# EAGLE board Mk4 Final Panel 8up 4x2 (EAGLE 9.0.1), part 19 of 23 (continued)
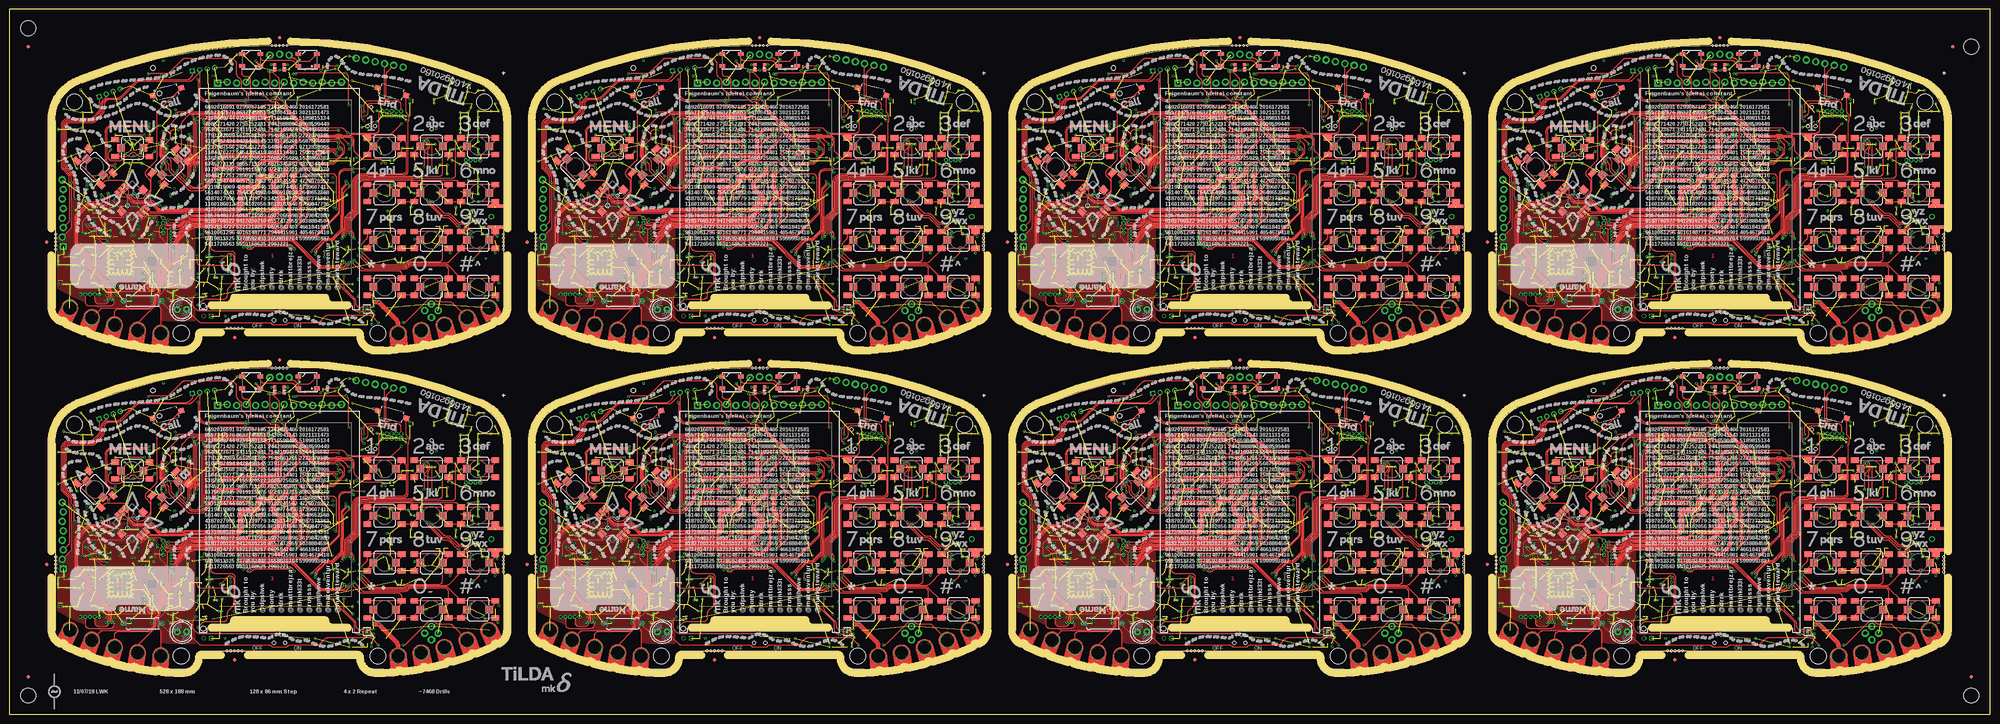
[diagram p0: board, top side]
## Tracks (layer width: path | path; a pad name or v marks a point on that pad's centre or on a via) (continued)
SPK_P5  (via drill 0.3)
  Top 0.2: v445,41.1 445.23,41.33 465.36,41.33 arc45 466.06,41.62 471.81,47.36 arc45 472.1,48.07 472.1,57.92 arc-90 473.17,58.99 475.16,58.99 arc-45 475.51,58.84 v475.75,58.61 | v421.3,71.45 arc-45 420.64,71.17 411.5,71.17 arc90 409.57,69.25 409.57,61.95 arc90 411.45,60.08 411.72,60.08 arc-45 412.07,59.93 v412.2,59.8
  Bottom 0.2: IC93.11 486.55,57.95 C601.1 | C601.1 C597.1 | C602.1 C601.1 | C599.1 C597.1 | C597.1 485.18,58.33 480.32,58.33 arc-45 480.25,58.35 480.16,58.45 arc45 480.09,58.48 477.77,58.48 R438.1 477.11,57.86 arc-90 476.4,57.86 475.75,58.51 v475.75,58.61 | v445,41.1 444.77,41.33 444.14,41.33 arc-45 443.44,41.62 441.02,44.03 arc45 440.8,44.12 440.54,44.12 arc-45 439.83,44.42 436.52,47.73 arc45 435.81,48.02 429.24,48.02 arc-45 428.54,48.32 425.52,51.34 arc-45 425.23,52.04 425.23,52.7 arc90 423.9,54.02 421.14,54.02 arc-45 420.44,54.32 418.22,56.53 arc45 417.51,56.83 414.4,56.83 arc-90 413.32,57.9 413.32,59.6 arc90 412.85,60.08 412.68,60.08 arc45 412.33,59.93 v412.2,59.8 | C616.2 v421.3,71.45
SPK_P6  (via drill 0.3)
  Top 0.2: v317,127.1 317.23,127.33 337.36,127.33 arc45 338.06,127.62 343.81,133.36 arc45 344.1,134.07 344.1,143.93 arc-90 345.17,144.99 347.16,144.99 arc-45 347.51,144.84 v347.75,144.61 | v293.3,157.45 arc-45 292.64,157.18 283.5,157.18 arc90 281.57,155.25 281.57,147.95 arc90 283.45,146.07 283.72,146.07 arc-45 284.07,145.93 v284.2,145.8
  Bottom 0.2: IC111.11 358.55,143.95 C709.1 | C709.1 C705.1 | C710.1 C709.1 | C707.1 C705.1 | C705.1 357.18,144.32 352.32,144.32 arc-45 352.25,144.35 352.16,144.45 arc45 352.09,144.47 349.77,144.47 R516.1 349.11,143.86 arc-90 348.4,143.86 347.75,144.51 v347.75,144.61 | v317,127.1 316.77,127.33 316.14,127.33 arc-45 315.44,127.62 313.02,130.03 arc45 312.8,130.12 312.54,130.12 arc-45 311.84,130.42 308.52,133.73 arc45 307.81,134.03 301.24,134.03 arc-45 300.53,134.32 297.52,137.33 arc-45 297.23,138.04 297.23,138.7 arc90 295.9,140.03 293.14,140.03 arc-45 292.44,140.32 290.22,142.53 arc45 289.51,142.82 286.4,142.82 arc-90 285.32,143.9 285.32,145.6 arc90 284.85,146.07 284.68,146.07 arc45 284.33,145.93 v284.2,145.8 | C724.2 v293.3,157.45
SPK_P7  (via drill 0.3)
  Top 0.2: v445,127.1 445.23,127.33 465.36,127.33 arc45 466.06,127.62 471.81,133.36 arc45 472.1,134.07 472.1,143.93 arc-90 473.17,144.99 475.16,144.99 arc-45 475.51,144.84 v475.75,144.61 | v421.3,157.45 arc-45 420.64,157.18 411.5,157.18 arc90 409.57,155.25 409.57,147.95 arc90 411.45,146.07 411.72,146.07 arc-45 412.07,145.93 v412.2,145.8
  Bottom 0.2: IC129.11 486.55,143.95 C817.1 | C817.1 C813.1 | C818.1 C817.1 | C815.1 C813.1 | C813.1 485.18,144.32 480.32,144.32 arc-45 480.25,144.35 480.16,144.45 arc45 480.09,144.47 477.77,144.47 R594.1 477.11,143.86 arc-90 476.4,143.86 475.75,144.51 v475.75,144.61 | v445,127.1 444.77,127.33 444.14,127.33 arc-45 443.44,127.62 441.02,130.03 arc45 440.8,130.12 440.54,130.12 arc-45 439.83,130.42 436.52,133.73 arc45 435.81,134.03 429.24,134.03 arc-45 428.54,134.32 425.52,137.33 arc-45 425.23,138.04 425.23,138.7 arc90 423.9,140.03 421.14,140.03 arc-45 420.44,140.32 418.22,142.53 arc45 417.51,142.82 414.4,142.82 arc-90 413.32,143.9 413.32,145.6 arc90 412.85,146.07 412.68,146.07 arc45 412.33,145.93 v412.2,145.8 | C832.2 v421.3,157.45
SPK_R_N
  Bottom 0.15: R45.2 R46.1 arc45 93.97,62.04 IC11.5
SPK_R_N1
  Bottom 0.15: R126.2 R127.1 arc45 221.97,62.04 IC26.5
SPK_R_N2
  Bottom 0.15: R204.2 R205.1 arc45 93.97,148.04 IC44.5
SPK_R_N3
  Bottom 0.15: R282.2 R283.1 arc45 221.97,148.04 IC62.5
SPK_R_N4
  Bottom 0.15: R360.2 R361.1 arc45 349.98,62.04 IC80.5
SPK_R_N5
  Bottom 0.15: R438.2 R439.1 arc45 477.98,62.04 IC98.5
SPK_R_N6
  Bottom 0.15: R516.2 R517.1 arc45 349.98,148.04 IC116.5
SPK_R_N7
  Bottom 0.15: R594.2 R595.1 arc45 477.98,148.04 IC134.5
SPK_R_P
  Bottom 0.15: R43.2 R51.1 R50.1 93.03,61.78 arc45 93.33,62.49 IC11.6
SPK_R_P1
  Bottom 0.15: R125.2 R129.1 R128.1 221.03,61.78 arc45 221.32,62.49 IC26.6
SPK_R_P2
  Bottom 0.15: R203.2 R207.1 R206.1 93.03,147.78 arc45 93.33,148.49 IC44.6
SPK_R_P3
  Bottom 0.15: R281.2 R285.1 R284.1 221.03,147.78 arc45 221.32,148.49 IC62.6
SPK_R_P4
  Bottom 0.15: R359.2 R363.1 R362.1 349.03,61.78 arc45 349.32,62.49 IC80.6
SPK_R_P5
  Bottom 0.15: R437.2 R441.1 R440.1 477.03,61.78 arc45 477.32,62.49 IC98.6
SPK_R_P6
  Bottom 0.15: R515.2 R519.1 R518.1 349.03,147.78 arc45 349.32,148.49 IC116.6
SPK_R_P7
  Bottom 0.15: R593.2 R597.1 R596.1 477.03,147.78 arc45 477.32,148.49 IC134.6
SSI0_LCD_CLK
  Bottom 0.15: J2.37 66.25,50.09 arc-45 66.54,50.79 66.91,51.16 arc45 67.2,51.86 67.2,53.03 arc45 67.15,53.15 66.11,54.19 arc45 64.88,54.7 64.2,54.7 arc-90 63.2,55.7 63.2,59.1 arc-90 63.7,59.6 IC1.35
SSI0_LCD_CLK1
  Bottom 0.15: J6.37 194.25,50.09 arc-45 194.54,50.79 194.91,51.16 arc45 195.2,51.86 195.2,53.03 arc45 195.15,53.15 194.11,54.19 arc45 192.88,54.7 192.2,54.7 arc-90 191.2,55.7 191.2,59.1 arc-90 191.7,59.6 IC20.35
SSI0_LCD_CLK2
  Bottom 0.15: J21.37 66.25,136.09 arc-45 66.54,136.79 66.91,137.16 arc45 67.2,137.86 67.2,139.03 arc45 67.15,139.15 66.11,140.19 arc45 64.88,140.7 64.2,140.7 arc-90 63.2,141.7 63.2,145.1 arc-90 63.7,145.6 IC38.35
SSI0_LCD_CLK3
  Bottom 0.15: J31.37 194.25,136.09 arc-45 194.54,136.79 194.91,137.16 arc45 195.2,137.86 195.2,139.03 arc45 195.15,139.15 194.11,140.19 arc45 192.88,140.7 192.2,140.7 arc-90 191.2,141.7 191.2,145.1 arc-90 191.7,145.6 IC56.35
SSI0_LCD_CLK4
  Bottom 0.15: J41.37 322.25,50.09 arc-45 322.54,50.79 322.91,51.16 arc45 323.2,51.86 323.2,53.03 arc45 323.15,53.15 322.11,54.19 arc45 320.88,54.7 320.2,54.7 arc-90 319.2,55.7 319.2,59.1 arc-90 319.7,59.6 IC74.35
SSI0_LCD_CLK5
  Bottom 0.15: J51.37 450.25,50.09 arc-45 450.54,50.79 450.91,51.16 arc45 451.2,51.86 451.2,53.03 arc45 451.15,53.15 450.11,54.19 arc45 448.88,54.7 448.2,54.7 arc-90 447.2,55.7 447.2,59.1 arc-90 447.7,59.6 IC92.35
SSI0_LCD_CLK6
  Bottom 0.15: J61.37 322.25,136.09 arc-45 322.54,136.79 322.91,137.16 arc45 323.2,137.86 323.2,139.03 arc45 323.15,139.15 322.11,140.19 arc45 320.88,140.7 320.2,140.7 arc-90 319.2,141.7 319.2,145.1 arc-90 319.7,145.6 IC110.35
SSI0_LCD_CLK7
  Bottom 0.15: J71.37 450.25,136.09 arc-45 450.54,136.79 450.91,137.16 arc45 451.2,137.86 451.2,139.03 arc45 451.15,139.15 450.11,140.19 arc45 448.88,140.7 448.2,140.7 arc-90 447.2,141.7 447.2,145.1 arc-90 447.7,145.6 IC128.35
SSI0_LCD_CS
  Bottom 0.15: J2.38 65.75,50.09 arc-45 66.04,50.79 66.58,51.33 arc45 66.88,52.04 66.88,52.92 arc45 66.82,53.06 65.92,53.96 arc45 64.85,54.4 64.15,54.4 arc-90 62.9,55.65 62.9,59.25 arc-90 63.65,60 IC1.36
SSI0_LCD_CS1
  Bottom 0.15: J6.38 193.75,50.09 arc-45 194.04,50.79 194.58,51.33 arc45 194.88,52.04 194.88,52.92 arc45 194.82,53.06 193.92,53.96 arc45 192.85,54.4 192.15,54.4 arc-90 190.9,55.65 190.9,59.25 arc-90 191.65,60 IC20.36
SSI0_LCD_CS2
  Bottom 0.15: J21.38 65.75,136.09 arc-45 66.04,136.79 66.58,137.33 arc45 66.88,138.04 66.88,138.92 arc45 66.82,139.06 65.92,139.96 arc45 64.85,140.4 64.15,140.4 arc-90 62.9,141.65 62.9,145.25 arc-90 63.65,146 IC38.36
SSI0_LCD_CS3
  Bottom 0.15: J31.38 193.75,136.09 arc-45 194.04,136.79 194.58,137.33 arc45 194.88,138.04 194.88,138.92 arc45 194.82,139.06 193.92,139.96 arc45 192.85,140.4 192.15,140.4 arc-90 190.9,141.65 190.9,145.25 arc-90 191.65,146 IC56.36
SSI0_LCD_CS4
  Bottom 0.15: J41.38 321.75,50.09 arc-45 322.04,50.79 322.58,51.33 arc45 322.88,52.04 322.88,52.92 arc45 322.82,53.06 321.91,53.96 arc45 320.85,54.4 320.15,54.4 arc-90 318.9,55.65 318.9,59.25 arc-90 319.65,60 IC74.36
SSI0_LCD_CS5
  Bottom 0.15: J51.38 449.75,50.09 arc-45 450.04,50.79 450.58,51.33 arc45 450.88,52.04 450.88,52.92 arc45 450.82,53.06 449.92,53.96 arc45 448.85,54.4 448.15,54.4 arc-90 446.9,55.65 446.9,59.25 arc-90 447.65,60 IC92.36
SSI0_LCD_CS6
  Bottom 0.15: J61.38 321.75,136.09 arc-45 322.04,136.79 322.58,137.33 arc45 322.88,138.04 322.88,138.92 arc45 322.82,139.06 321.91,139.96 arc45 320.85,140.4 320.15,140.4 arc-90 318.9,141.65 318.9,145.25 arc-90 319.65,146 IC110.36
SSI0_LCD_CS7
  Bottom 0.15: J71.38 449.75,136.09 arc-45 450.04,136.79 450.58,137.33 arc45 450.88,138.04 450.88,138.92 arc45 450.82,139.06 449.92,139.96 arc45 448.85,140.4 448.15,140.4 arc-90 446.9,141.65 446.9,145.25 arc-90 447.65,146 IC128.36
SSI0_LCD_MISO  (via drill 0.3)
  Top 0.15: v65.8,51.8 65.89,51.8 arc45 66.59,52.09 67.21,52.71 arc-45 67.91,53 v68.45,53
  Bottom 0.15: IC1.38 63.55,60.8 arc90 62.3,59.55 62.3,55.55 arc90 64.05,53.8 64.79,53.8 arc-45 65.49,53.51 65.51,53.49 arc-45 65.8,52.79 v65.8,51.8 | J2.33 68.25,52.52 arc-45 v68.45,53
SSI0_LCD_MISO1  (via drill 0.3)
  Top 0.15: v193.8,51.8 193.89,51.8 arc45 194.59,52.09 195.21,52.71 arc-45 195.91,53 v196.45,53
  Bottom 0.15: IC20.38 191.55,60.8 arc90 190.3,59.55 190.3,55.55 arc90 192.05,53.8 192.79,53.8 arc-45 193.49,53.51 193.51,53.49 arc-45 193.8,52.79 v193.8,51.8 | J6.33 196.25,52.52 arc-45 v196.45,53
SSI0_LCD_MISO2  (via drill 0.3)
  Top 0.15: v65.8,137.8 65.89,137.8 arc45 66.59,138.09 67.21,138.71 arc-45 67.91,139 v68.45,139
  Bottom 0.15: IC38.38 63.55,146.8 arc90 62.3,145.55 62.3,141.55 arc90 64.05,139.8 64.79,139.8 arc-45 65.49,139.51 65.51,139.49 arc-45 65.8,138.79 v65.8,137.8 | J21.33 68.25,138.52 arc-45 v68.45,139
SSI0_LCD_MISO3  (via drill 0.3)
  Top 0.15: v193.8,137.8 193.89,137.8 arc45 194.59,138.09 195.21,138.71 arc-45 195.91,139 v196.45,139
  Bottom 0.15: IC56.38 191.55,146.8 arc90 190.3,145.55 190.3,141.55 arc90 192.05,139.8 192.79,139.8 arc-45 193.49,139.51 193.51,139.49 arc-45 193.8,138.79 v193.8,137.8 | J31.33 196.25,138.52 arc-45 v196.45,139
SSI0_LCD_MISO4  (via drill 0.3)
  Top 0.15: v321.8,51.8 321.89,51.8 arc45 322.59,52.09 323.21,52.71 arc-45 323.91,53 v324.45,53
  Bottom 0.15: IC74.38 319.55,60.8 arc90 318.3,59.55 318.3,55.55 arc90 320.05,53.8 320.79,53.8 arc-45 321.49,53.51 321.51,53.49 arc-45 321.8,52.79 v321.8,51.8 | J41.33 324.25,52.52 arc-45 v324.45,53
SSI0_LCD_MISO5  (via drill 0.3)
  Top 0.15: v449.8,51.8 449.89,51.8 arc45 450.59,52.09 451.21,52.71 arc-45 451.91,53 v452.45,53
  Bottom 0.15: IC92.38 447.55,60.8 arc90 446.3,59.55 446.3,55.55 arc90 448.05,53.8 448.79,53.8 arc-45 449.49,53.51 449.51,53.49 arc-45 449.8,52.79 v449.8,51.8 | J51.33 452.25,52.52 arc-45 v452.45,53
SSI0_LCD_MISO6  (via drill 0.3)
  Top 0.15: v321.8,137.8 321.89,137.8 arc45 322.59,138.09 323.21,138.71 arc-45 323.91,139 v324.45,139
  Bottom 0.15: IC110.38 319.55,146.8 arc90 318.3,145.55 318.3,141.55 arc90 320.05,139.8 320.79,139.8 arc-45 321.49,139.51 321.51,139.49 arc-45 321.8,138.79 v321.8,137.8 | J61.33 324.25,138.52 arc-45 v324.45,139
SSI0_LCD_MISO7  (via drill 0.3)
  Top 0.15: v449.8,137.8 449.89,137.8 arc45 450.59,138.09 451.21,138.71 arc-45 451.91,139 v452.45,139
  Bottom 0.15: IC128.38 447.55,146.8 arc90 446.3,145.55 446.3,141.55 arc90 448.05,139.8 448.79,139.8 arc-45 449.49,139.51 449.51,139.49 arc-45 449.8,138.79 v449.8,137.8 | J71.33 452.25,138.52 arc-45 v452.45,139
SSI0_LCD_MOSI  (via drill 0.3)
  Top 0.15: v66.35,52.7 arc45 66.95,52.95 67.45,53.45 arc-45 v68.05,53.7
  Bottom 0.15: J2.34 67.75,50.5 67.8,50.55 67.8,53.1 arc-45 v68.05,53.7 | IC1.37 63.6,60.4 arc90 62.6,59.4 62.6,55.6 arc90 64.1,54.1 64.83,54.1 arc-45 65.72,53.73 66.2,53.25 arc-45 66.35,52.89 v66.35,52.7
SSI0_LCD_MOSI1  (via drill 0.3)
  Top 0.15: v194.35,52.7 arc45 194.95,52.95 195.45,53.45 arc-45 v196.05,53.7
  Bottom 0.15: J6.34 195.75,50.5 195.8,50.55 195.8,53.1 arc-45 v196.05,53.7 | IC20.37 191.6,60.4 arc90 190.6,59.4 190.6,55.6 arc90 192.1,54.1 192.83,54.1 arc-45 193.72,53.73 194.2,53.25 arc-45 194.35,52.89 v194.35,52.7
SSI0_LCD_MOSI2  (via drill 0.3)
  Top 0.15: v66.35,138.7 arc45 66.95,138.95 67.45,139.45 arc-45 v68.05,139.7
  Bottom 0.15: J21.34 67.75,136.5 67.8,136.55 67.8,139.1 arc-45 v68.05,139.7 | IC38.37 63.6,146.4 arc90 62.6,145.4 62.6,141.6 arc90 64.1,140.1 64.83,140.1 arc-45 65.72,139.73 66.2,139.25 arc-45 66.35,138.89 v66.35,138.7
SSI0_LCD_MOSI3  (via drill 0.3)
  Top 0.15: v194.35,138.7 arc45 194.95,138.95 195.45,139.45 arc-45 v196.05,139.7
  Bottom 0.15: J31.34 195.75,136.5 195.8,136.55 195.8,139.1 arc-45 v196.05,139.7 | IC56.37 191.6,146.4 arc90 190.6,145.4 190.6,141.6 arc90 192.1,140.1 192.83,140.1 arc-45 193.72,139.73 194.2,139.25 arc-45 194.35,138.89 v194.35,138.7
SSI0_LCD_MOSI4  (via drill 0.3)
  Top 0.15: v322.35,52.7 arc45 322.95,52.95 323.45,53.45 arc-45 v324.05,53.7
  Bottom 0.15: J41.34 323.75,50.5 323.8,50.55 323.8,53.1 arc-45 v324.05,53.7 | IC74.37 319.6,60.4 arc90 318.6,59.4 318.6,55.6 arc90 320.1,54.1 320.83,54.1 arc-45 321.72,53.73 322.2,53.25 arc-45 322.35,52.89 v322.35,52.7
SSI0_LCD_MOSI5  (via drill 0.3)
  Top 0.15: v450.35,52.7 arc45 450.95,52.95 451.45,53.45 arc-45 v452.05,53.7
  Bottom 0.15: J51.34 451.75,50.5 451.8,50.55 451.8,53.1 arc-45 v452.05,53.7 | IC92.37 447.6,60.4 arc90 446.6,59.4 446.6,55.6 arc90 448.1,54.1 448.83,54.1 arc-45 449.72,53.73 450.2,53.25 arc-45 450.35,52.89 v450.35,52.7
SSI0_LCD_MOSI6  (via drill 0.3)
  Top 0.15: v322.35,138.7 arc45 322.95,138.95 323.45,139.45 arc-45 v324.05,139.7
  Bottom 0.15: J61.34 323.75,136.5 323.8,136.55 323.8,139.1 arc-45 v324.05,139.7 | IC110.37 319.6,146.4 arc90 318.6,145.4 318.6,141.6 arc90 320.1,140.1 320.83,140.1 arc-45 321.72,139.73 322.2,139.25 arc-45 322.35,138.89 v322.35,138.7
SSI0_LCD_MOSI7  (via drill 0.3)
  Top 0.15: v450.35,138.7 arc45 450.95,138.95 451.45,139.45 arc-45 v452.05,139.7
  Bottom 0.15: J71.34 451.75,136.5 451.8,136.55 451.8,139.1 arc-45 v452.05,139.7 | IC128.37 447.6,146.4 arc90 446.6,145.4 446.6,141.6 arc90 448.1,140.1 448.83,140.1 arc-45 449.72,139.73 450.2,139.25 arc-45 450.35,138.89 v450.35,138.7
SSI2_CC_!CS  (via drill 0.3)
  Top 0.15: v43,40 43.7,40 47.86,44.16 arc-45 48.92,44.6 70.69,44.6 arc-45 71.39,44.31 v71.5,44.2 | v78,55.2 78,55.06 arc-45 77.89,54.8 arc45 77.6,54.1 77.6,47.01 arc-45 77.31,46.31 v76.6,45.6
  Bottom 0.15: IC15.8 29.75,27.95 arc90 30.75,26.95 38.5,26.95 arc90 40,28.45 40,30.39 arc-45 40.29,31.09 41.71,32.51 arc45 42.3,33.93 42.3,38.94 arc-45 42.59,39.64 42.95,40 v43,40 | IC1.3 77.4,56.21 arc45 77.69,55.51 v78,55.2 | v76.6,45.6 73.75,45.6 arc-45 73.25,45.81 arc45 72.54,46.1 72.5,46.1 arc90 71.5,45.1 v71.5,44.2
SSI2_CC_!CS1  (via drill 0.3)
  Top 0.15: v171,40 171.7,40 175.86,44.16 arc-45 176.92,44.6 198.69,44.6 arc-45 199.39,44.31 v199.5,44.2 | v206,55.2 206,55.06 arc-45 205.89,54.8 arc45 205.6,54.1 205.6,47.01 arc-45 205.31,46.31 v204.6,45.6
  Bottom 0.15: IC29.8 157.75,27.95 arc90 158.75,26.95 166.5,26.95 arc90 168,28.45 168,30.39 arc-45 168.29,31.09 169.71,32.51 arc45 170.3,33.93 170.3,38.94 arc-45 170.59,39.64 170.95,40 v171,40 | IC20.3 205.4,56.21 arc45 205.69,55.51 v206,55.2 | v204.6,45.6 201.75,45.6 arc-45 201.25,45.81 arc45 200.54,46.1 200.5,46.1 arc90 199.5,45.1 v199.5,44.2
SSI2_CC_!CS2  (via drill 0.3)
  Top 0.15: v43,126 43.7,126 47.86,130.16 arc-45 48.92,130.6 70.69,130.6 arc-45 71.39,130.31 v71.5,130.2 | v78,141.2 78,141.06 arc-45 77.89,140.8 arc45 77.6,140.1 77.6,133.01 arc-45 77.31,132.31 v76.6,131.6
  Bottom 0.15: IC47.8 29.75,113.95 arc90 30.75,112.95 38.5,112.95 arc90 40,114.45 40,116.39 arc-45 40.29,117.09 41.71,118.51 arc45 42.3,119.93 42.3,124.94 arc-45 42.59,125.64 42.95,126 v43,126 | IC38.3 77.4,142.21 arc45 77.69,141.51 v78,141.2 | v76.6,131.6 73.75,131.6 arc-45 73.25,131.81 arc45 72.54,132.1 72.5,132.1 arc90 71.5,131.1 v71.5,130.2
SSI2_CC_!CS3  (via drill 0.3)
  Top 0.15: v171,126 171.7,126 175.86,130.16 arc-45 176.92,130.6 198.69,130.6 arc-45 199.39,130.31 v199.5,130.2 | v206,141.2 206,141.06 arc-45 205.89,140.8 arc45 205.6,140.1 205.6,133.01 arc-45 205.31,132.31 v204.6,131.6
  Bottom 0.15: IC65.8 157.75,113.95 arc90 158.75,112.95 166.5,112.95 arc90 168,114.45 168,116.39 arc-45 168.29,117.09 169.71,118.51 arc45 170.3,119.93 170.3,124.94 arc-45 170.59,125.64 170.95,126 v171,126 | IC56.3 205.4,142.21 arc45 205.69,141.51 v206,141.2 | v204.6,131.6 201.75,131.6 arc-45 201.25,131.81 arc45 200.54,132.1 200.5,132.1 arc90 199.5,131.1 v199.5,130.2
SSI2_CC_!CS4  (via drill 0.3)
  Top 0.15: v299,40 299.7,40 303.86,44.16 arc-45 304.92,44.6 326.69,44.6 arc-45 327.39,44.31 v327.5,44.2 | v334,55.2 334,55.06 arc-45 333.89,54.8 arc45 333.6,54.1 333.6,47.01 arc-45 333.31,46.31 v332.6,45.6
  Bottom 0.15: IC83.8 285.75,27.95 arc90 286.75,26.95 294.5,26.95 arc90 296,28.45 296,30.39 arc-45 296.29,31.09 297.71,32.51 arc45 298.3,33.93 298.3,38.94 arc-45 298.59,39.64 298.95,40 v299,40 | IC74.3 333.4,56.21 arc45 333.69,55.51 v334,55.2 | v332.6,45.6 329.75,45.6 arc-45 329.25,45.81 arc45 328.54,46.1 328.5,46.1 arc90 327.5,45.1 v327.5,44.2
SSI2_CC_!CS5  (via drill 0.3)
  Top 0.15: v427,40 427.7,40 431.86,44.16 arc-45 432.92,44.6 454.69,44.6 arc-45 455.39,44.31 v455.5,44.2 | v462,55.2 462,55.06 arc-45 461.89,54.8 arc45 461.6,54.1 461.6,47.01 arc-45 461.31,46.31 v460.6,45.6
  Bottom 0.15: IC101.8 413.75,27.95 arc90 414.75,26.95 422.5,26.95 arc90 424,28.45 424,30.39 arc-45 424.29,31.09 425.71,32.51 arc45 426.3,33.93 426.3,38.94 arc-45 426.59,39.64 426.95,40 v427,40 | IC92.3 461.4,56.21 arc45 461.69,55.51 v462,55.2 | v460.6,45.6 457.75,45.6 arc-45 457.25,45.81 arc45 456.54,46.1 456.5,46.1 arc90 455.5,45.1 v455.5,44.2
SSI2_CC_!CS6  (via drill 0.3)
  Top 0.15: v299,126 299.7,126 303.86,130.16 arc-45 304.92,130.6 326.69,130.6 arc-45 327.39,130.31 v327.5,130.2 | v334,141.2 334,141.06 arc-45 333.89,140.8 arc45 333.6,140.1 333.6,133.01 arc-45 333.31,132.31 v332.6,131.6
  Bottom 0.15: IC119.8 285.75,113.95 arc90 286.75,112.95 294.5,112.95 arc90 296,114.45 296,116.39 arc-45 296.29,117.09 297.71,118.51 arc45 298.3,119.93 298.3,124.94 arc-45 298.59,125.64 298.95,126 v299,126 | IC110.3 333.4,142.21 arc45 333.69,141.51 v334,141.2 | v332.6,131.6 329.75,131.6 arc-45 329.25,131.81 arc45 328.54,132.1 328.5,132.1 arc90 327.5,131.1 v327.5,130.2
SSI2_CC_!CS7  (via drill 0.3)
  Top 0.15: v427,126 427.7,126 431.86,130.16 arc-45 432.92,130.6 454.69,130.6 arc-45 455.39,130.31 v455.5,130.2 | v462,141.2 462,141.06 arc-45 461.89,140.8 arc45 461.6,140.1 461.6,133.01 arc-45 461.31,132.31 v460.6,131.6
  Bottom 0.15: IC137.8 413.75,113.95 arc90 414.75,112.95 422.5,112.95 arc90 424,114.45 424,116.39 arc-45 424.29,117.09 425.71,118.51 arc45 426.3,119.93 426.3,124.94 arc-45 426.59,125.64 426.95,126 v427,126 | IC128.3 461.4,142.21 arc45 461.69,141.51 v462,141.2 | v460.6,131.6 457.75,131.6 arc-45 457.25,131.81 arc45 456.54,132.1 456.5,132.1 arc90 455.5,131.1 v455.5,130.2
SSI2_CC_CLK  (via drill 0.3)
  Top 0.15: v43,42.4 44.83,42.4 47.27,44.84 arc-45 48.86,45.5 69.07,45.5 arc45 70.49,46.09 70.51,46.11 arc-45 71.22,46.4 v73.4,46.4 | v77.2,55.2 77.2,53.49 77.22,53.47 77.22,47.44 arc-45 76.93,46.73 v76.6,46.4
  Bottom 0.15: IC15.5 31.25,29.91 arc45 31.54,29.21 32.51,28.24 arc45 33.21,27.95 36.88,27.95 36.9,27.93 38.35,27.93 arc90 39.1,28.68 39.1,30.48 arc-45 39.61,31.71 41.03,33.13 arc45 41.4,34.02 41.4,40.39 arc-45 41.69,41.09 v43,42.4 | IC1.4 77,55.68 arc45 v77.2,55.2 | v73.4,46.4 v76.6,46.4
SSI2_CC_CLK1  (via drill 0.3)
  Top 0.15: v171,42.4 172.83,42.4 175.27,44.84 arc-45 176.86,45.5 197.07,45.5 arc45 198.49,46.09 198.51,46.11 arc-45 199.22,46.4 v201.4,46.4 | v205.2,55.2 205.2,53.49 205.22,53.47 205.22,47.44 arc-45 204.93,46.73 v204.6,46.4
  Bottom 0.15: IC29.5 159.25,29.91 arc45 159.54,29.21 160.51,28.24 arc45 161.21,27.95 164.88,27.95 164.9,27.93 166.35,27.93 arc90 167.1,28.68 167.1,30.48 arc-45 167.61,31.71 169.03,33.13 arc45 169.4,34.02 169.4,40.39 arc-45 169.69,41.09 v171,42.4 | IC20.4 205,55.68 arc45 v205.2,55.2 | v201.4,46.4 v204.6,46.4
SSI2_CC_CLK2  (via drill 0.3)
  Top 0.15: v43,128.4 44.83,128.4 47.27,130.84 arc-45 48.86,131.5 69.07,131.5 arc45 70.49,132.09 70.51,132.11 arc-45 71.22,132.4 v73.4,132.4 | v77.2,141.2 77.2,139.49 77.22,139.47 77.22,133.44 arc-45 76.93,132.73 v76.6,132.4
  Bottom 0.15: IC47.5 31.25,115.91 arc45 31.54,115.21 32.51,114.24 arc45 33.21,113.95 36.88,113.95 36.9,113.92 38.35,113.92 arc90 39.1,114.67 39.1,116.47 arc-45 39.61,117.71 41.03,119.13 arc45 41.4,120.02 41.4,126.39 arc-45 41.69,127.09 v43,128.4 | IC38.4 77,141.68 arc45 v77.2,141.2 | v73.4,132.4 v76.6,132.4
SSI2_CC_CLK3  (via drill 0.3)
  Top 0.15: v171,128.4 172.83,128.4 175.27,130.84 arc-45 176.86,131.5 197.07,131.5 arc45 198.49,132.09 198.51,132.11 arc-45 199.22,132.4 v201.4,132.4 | v205.2,141.2 205.2,139.49 205.22,139.47 205.22,133.44 arc-45 204.93,132.73 v204.6,132.4
  Bottom 0.15: IC65.5 159.25,115.91 arc45 159.54,115.21 160.51,114.24 arc45 161.21,113.95 164.88,113.95 164.9,113.92 166.35,113.92 arc90 167.1,114.67 167.1,116.47 arc-45 167.61,117.71 169.03,119.13 arc45 169.4,120.02 169.4,126.39 arc-45 169.69,127.09 v171,128.4 | IC56.4 205,141.68 arc45 v205.2,141.2 | v201.4,132.4 v204.6,132.4
SSI2_CC_CLK4  (via drill 0.3)
  Top 0.15: v299,42.4 300.83,42.4 303.27,44.84 arc-45 304.86,45.5 325.07,45.5 arc45 326.49,46.09 326.51,46.11 arc-45 327.22,46.4 v329.4,46.4 | v333.2,55.2 333.2,53.49 333.23,53.47 333.23,47.44 arc-45 332.93,46.73 v332.6,46.4
  Bottom 0.15: IC83.5 287.25,29.91 arc45 287.54,29.21 288.51,28.24 arc45 289.21,27.95 292.88,27.95 292.9,27.93 294.35,27.93 arc90 295.1,28.68 295.1,30.48 arc-45 295.61,31.71 297.03,33.13 arc45 297.4,34.02 297.4,40.39 arc-45 297.69,41.09 v299,42.4 | IC74.4 333,55.68 arc45 v333.2,55.2 | v329.4,46.4 v332.6,46.4
SSI2_CC_CLK5  (via drill 0.3)
  Top 0.15: v427,42.4 428.83,42.4 431.27,44.84 arc-45 432.86,45.5 453.07,45.5 arc45 454.49,46.09 454.51,46.11 arc-45 455.22,46.4 v457.4,46.4 | v461.2,55.2 461.2,53.49 461.23,53.47 461.23,47.44 arc-45 460.93,46.73 v460.6,46.4
  Bottom 0.15: IC101.5 415.25,29.91 arc45 415.54,29.21 416.51,28.24 arc45 417.21,27.95 420.88,27.95 420.9,27.93 422.35,27.93 arc90 423.1,28.68 423.1,30.48 arc-45 423.61,31.71 425.03,33.13 arc45 425.4,34.02 425.4,40.39 arc-45 425.69,41.09 v427,42.4 | IC92.4 461,55.68 arc45 v461.2,55.2 | v457.4,46.4 v460.6,46.4
SSI2_CC_CLK6  (via drill 0.3)
  Top 0.15: v299,128.4 300.83,128.4 303.27,130.84 arc-45 304.86,131.5 325.07,131.5 arc45 326.49,132.09 326.51,132.11 arc-45 327.22,132.4 v329.4,132.4 | v333.2,141.2 333.2,139.49 333.23,139.47 333.23,133.44 arc-45 332.93,132.73 v332.6,132.4
  Bottom 0.15: IC119.5 287.25,115.91 arc45 287.54,115.21 288.51,114.24 arc45 289.21,113.95 292.88,113.95 292.9,113.92 294.35,113.92 arc90 295.1,114.67 295.1,116.47 arc-45 295.61,117.71 297.03,119.13 arc45 297.4,120.02 297.4,126.39 arc-45 297.69,127.09 v299,128.4 | IC110.4 333,141.68 arc45 v333.2,141.2 | v329.4,132.4 v332.6,132.4
SSI2_CC_CLK7  (via drill 0.3)
  Top 0.15: v427,128.4 428.83,128.4 431.27,130.84 arc-45 432.86,131.5 453.07,131.5 arc45 454.49,132.09 454.51,132.11 arc-45 455.22,132.4 v457.4,132.4 | v461.2,141.2 461.2,139.49 461.23,139.47 461.23,133.44 arc-45 460.93,132.73 v460.6,132.4
  Bottom 0.15: IC137.5 415.25,115.91 arc45 415.54,115.21 416.51,114.24 arc45 417.21,113.95 420.88,113.95 420.9,113.92 422.35,113.92 arc90 423.1,114.67 423.1,116.47 arc-45 423.61,117.71 425.03,119.13 arc45 425.4,120.02 425.4,126.39 arc-45 425.69,127.09 v427,128.4 | IC128.4 461,141.68 arc45 v461.2,141.2 | v457.4,132.4 v460.6,132.4
SSI2_CC_MISO  (via drill 0.3)
  Top 0.15: v43,40.8 44.08,40.8 47.67,44.39 arc-45 48.9,44.9 72.24,44.9 arc-45 v72.6,44.75 | v78.75,55.24 78.53,55.01 arc-45 78.5,54.96 78.19,54.65 arc45 77.9,53.94 77.9,46.21 arc-45 77.61,45.51 76.9,44.8 v76.6,44.8
  Bottom 0.15: IC15.7 30.25,29 R71.1 30.59,28.75 arc-45 31.29,28.46 32.06,27.69 arc45 33.12,27.25 38.45,27.25 arc90 39.7,28.5 39.7,30.43 arc-45 40.07,31.32 41.49,32.74 arc45 42,33.98 42,39.39 arc-45 42.29,40.09 v43,40.8 | IC1.1 78.2,56.6 78.31,56.49 arc-45 78.6,55.79 78.6,55.6 arc45 v78.75,55.24 | v76.6,44.8 76.55,44.75 v72.6,44.75
SSI2_CC_MISO1  (via drill 0.3)
  Top 0.15: v171,40.8 172.08,40.8 175.67,44.39 arc-45 176.9,44.9 200.24,44.9 arc-45 v200.6,44.75 | v206.75,55.24 206.53,55.01 arc-45 206.5,54.96 206.19,54.65 arc45 205.9,53.94 205.9,46.21 arc-45 205.61,45.51 204.9,44.8 v204.6,44.8
  Bottom 0.15: IC29.7 158.25,29 R149.1 158.59,28.75 arc-45 159.29,28.46 160.06,27.69 arc45 161.12,27.25 166.45,27.25 arc90 167.7,28.5 167.7,30.43 arc-45 168.07,31.32 169.49,32.74 arc45 170,33.98 170,39.39 arc-45 170.29,40.09 v171,40.8 | IC20.1 206.2,56.6 206.31,56.49 arc-45 206.6,55.79 206.6,55.6 arc45 v206.75,55.24 | v204.6,44.8 204.55,44.75 v200.6,44.75
SSI2_CC_MISO2  (via drill 0.3)
  Top 0.15: v43,126.8 44.08,126.8 47.67,130.39 arc-45 48.9,130.9 72.24,130.9 arc-45 v72.6,130.75 | v78.75,141.24 78.53,141.01 arc-45 78.5,140.96 78.19,140.65 arc45 77.9,139.94 77.9,132.21 arc-45 77.61,131.51 76.9,130.8 v76.6,130.8
  Bottom 0.15: IC47.7 30.25,115 R227.1 30.59,114.75 arc-45 31.29,114.46 32.06,113.69 arc45 33.12,113.25 38.45,113.25 arc90 39.7,114.5 39.7,116.43 arc-45 40.07,117.32 41.49,118.74 arc45 42,119.97 42,125.39 arc-45 42.29,126.09 v43,126.8 | IC38.1 78.2,142.6 78.31,142.49 arc-45 78.6,141.79 78.6,141.6 arc45 v78.75,141.24 | v76.6,130.8 76.55,130.75 v72.6,130.75
SSI2_CC_MISO3  (via drill 0.3)
  Top 0.15: v171,126.8 172.08,126.8 175.67,130.39 arc-45 176.9,130.9 200.24,130.9 arc-45 v200.6,130.75 | v206.75,141.24 206.53,141.01 arc-45 206.5,140.96 206.19,140.65 arc45 205.9,139.94 205.9,132.21 arc-45 205.61,131.51 204.9,130.8 v204.6,130.8